# KiCad board PCB0160.kicad_pcb (continued)
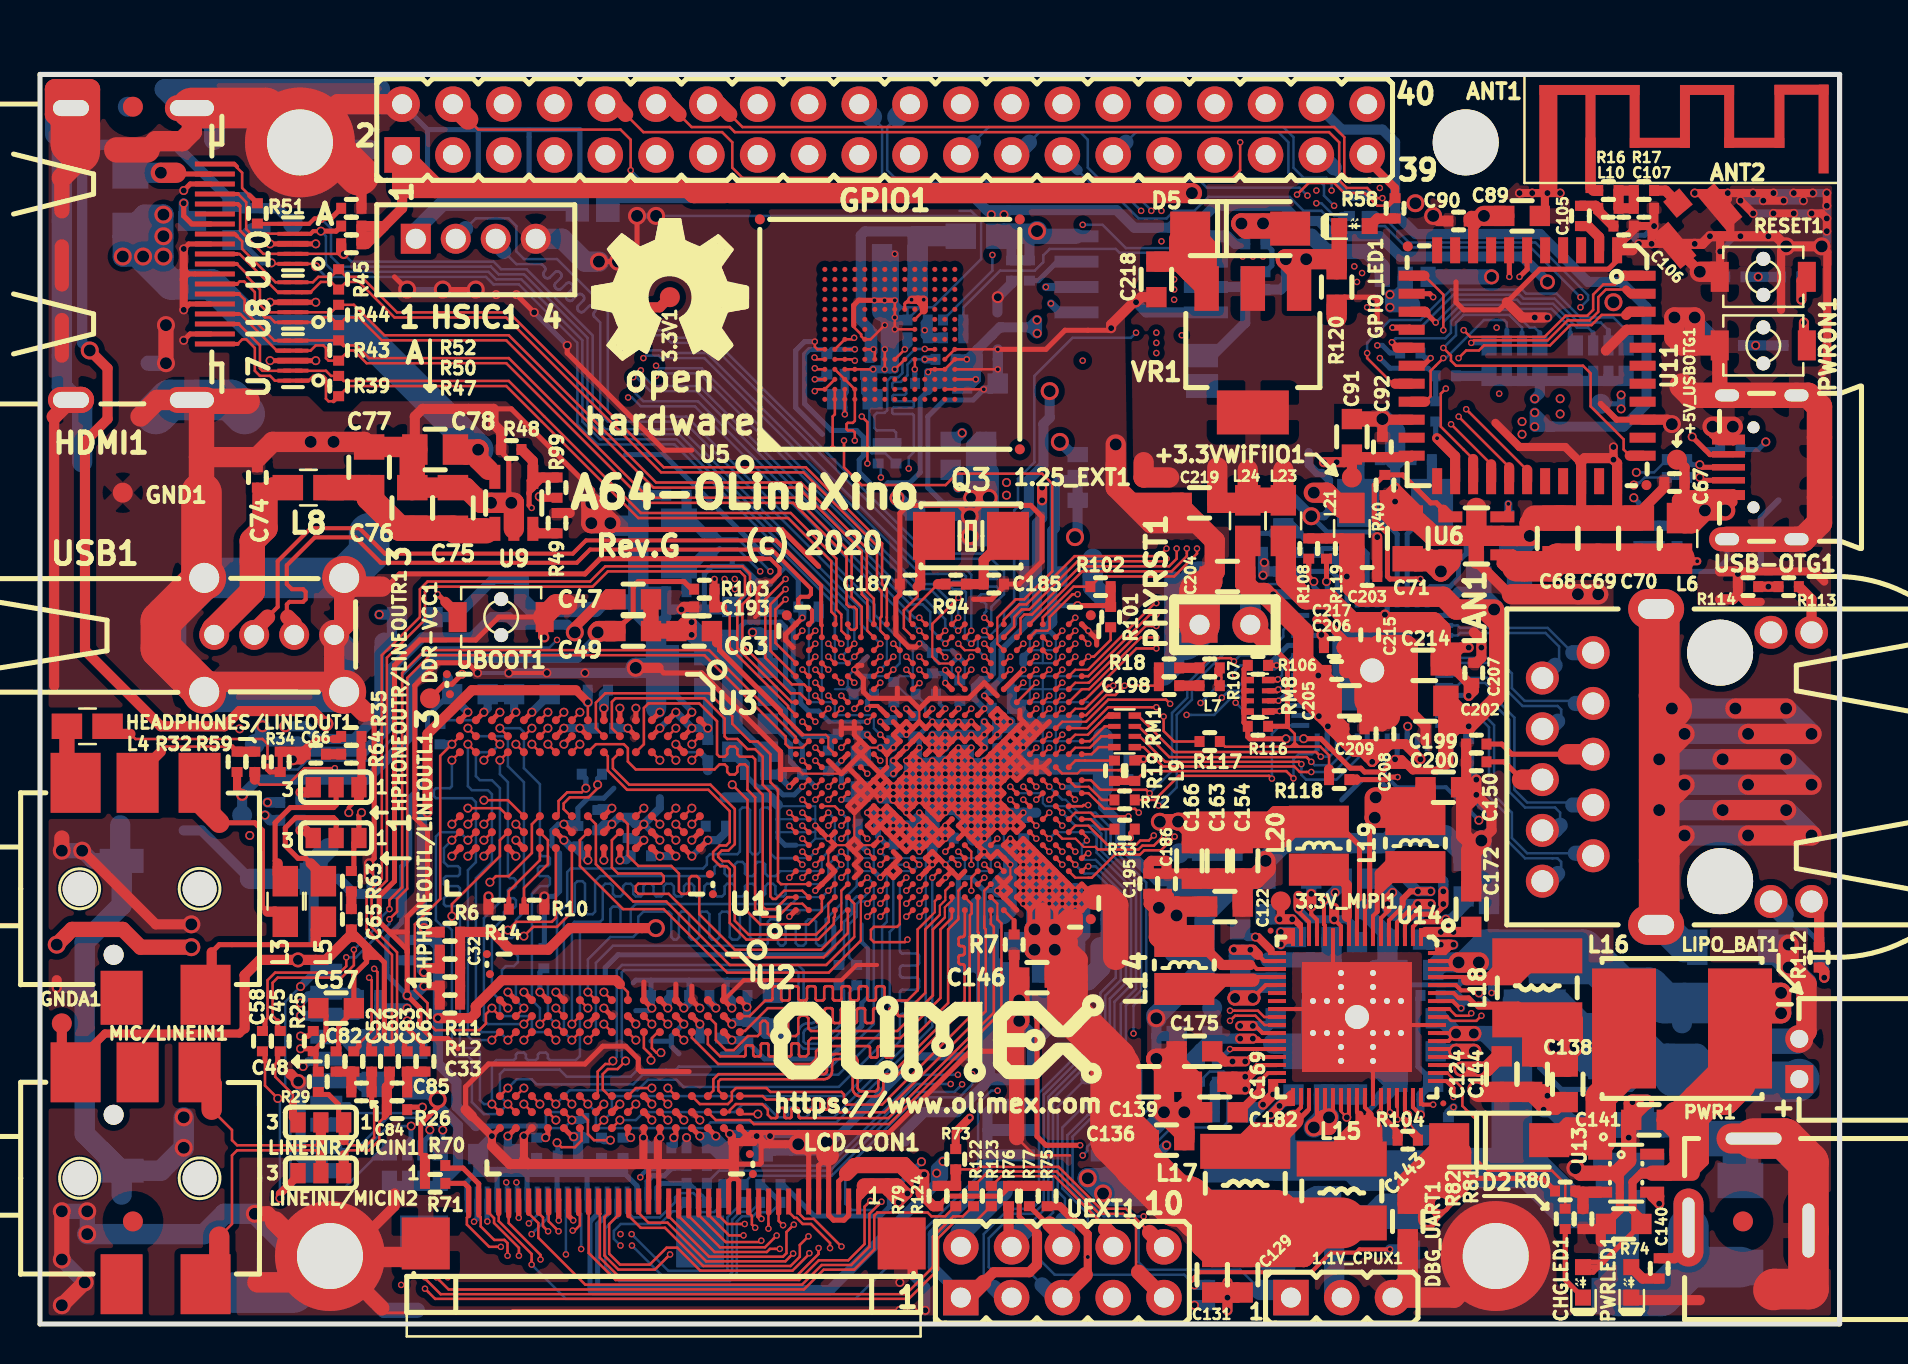
[diagram p0: board, top side]
## Routing (per net, layer and track width the routed paths; a pad name or vN(x,y) marks a point on that pad's centre or on a via; arc(x,y) is an arc through that point) (continued)
/USB&HDMI,WiFi&BT,Ethernet,LCD/EPHY-RST#: length 9.3
  Top w0.127: U1.Y14 v4(50.47,29.47) ; v4(56.19,30.38) 56.19,29.66 56.72,29.13 R117.2
  In2.Cu w0.127: v4(50.47,29.47) 51.02,30.02 55.83,30.02 v4(56.19,30.38)
/USB&HDMI,WiFi&BT,Ethernet,LCD/GCLKIN\LCD_VSYNC: length 65.8
  Top w0.127: v4(55.49,26.55) 55.32,26.72 53.03,26.72 52.56,27.2 U1.AC11
  Top w0.254: 26.44,6.23 26.44,5.41 v4(26.67,5.18)
  In3.Cu w0.127: v4(55.49,26.55) 55.33,26.38 55.33,23.92 54.94,23.53 54.94,18.16 47.43,10.66 43.22,10.66 39.35,6.79 34.5,6.79 33.35,5.64 27.12,5.64 v4(26.67,5.18)
  Bottom w0.127: 62.43,38.6 62.43,38.21 ; 62.43,38.21 62.43,37.13 62.31,37.01 61.42,37.01 61.16,36.75 61.16,36.25 61.67,35.74 61.67,34.54 61.04,33.91 59.25,33.91 57.37,32.02 57.37,31.32 56.61,30.56 56.61,27.67 v4(55.49,26.55) ; 62.43,38.21 62.81,38.6 ; 62.43,38.21 62.18,38.47 C93.2 62.18,38.62
  Bottom w0.508: C93.2 R109.1
/USB&HDMI,WiFi&BT,Ethernet,LCD/GMDC\LCD-PWM: length 72.5
  Top w0.127: U1.Y13 v4(50.47,28.83) ; v4(25.03,3.23) 25.03,3.46 23.44,5.05 23.44,5.39
  Top w0.254: 23.44,5.39 23.44,6.23
  In2.Cu w0.127: v4(25.03,3.23) 25.41,2.84 26.61,2.84 26.9,2.55 30.06,2.55 33.95,6.44 40.2,6.44 43.22,9.47 45.87,9.47 46.05,9.29 48.94,9.29 51,11.35 51.64,11.35 53.54,13.26 53.54,15.55 54.81,16.81 54.81,23.41 55.19,23.79 55.19,25.19 v4(55.93,25.93) 55.93,26.93 54.69,28.18 50.69,28.18 50.47,28.39 v4(50.47,28.83)
  Bottom w0.127: v4(55.93,25.93) 56.84,26.84 56.84,30.46 57.61,31.23 57.61,31.93 59.35,33.67 61.14,33.67 61.93,34.46 61.93,34.98 62.39,35.44
  Bottom w0.254: 62.39,35.44 U15.36
/USB&HDMI,WiFi&BT,Ethernet,LCD/GMDIO\LCD_PWR: length 67.4
  Top w0.127: v4(54.95,25.58) 54.76,25.77 54.36,25.77 54.36,25.77 54.12,25.77 53.35,25.77 53.35,25.77 53.22,25.77 52.43,26.55 U1.AC10
  Top w0.254: v3(63.7,37.13) 63.45,37.39 R108.1 ; 23.94,6.23 v4(23.94,5.31)
  In3.Cu w0.127: v4(23.94,5.31) 24.52,5.89 33.22,5.89 34.37,7.04 39.27,7.04 45.21,12.98 49.39,12.98 54.69,18.28 54.69,23.81 54.95,24.08 v4(54.95,25.58) 54.95,26.5 55.33,26.88 59.28,26.88 61.21,28.81 61.21,32.8 62.8,34.39 62.8,34.86 63.7,35.76 v3(63.7,37.13)
  Bottom w0.254: v3(63.7,37.13) 63.7,36.88 63.87,36.71 U15.37
/USB&HDMI,WiFi&BT,Ethernet,LCD/GRXCK\LCD_D18: length 59.1
  Top w0.127: v4(40.08,3.87) 38.7,5.26 38.23,5.26 37.94,5.54 ; LCD_CON1.7 37.94,5.54 ; 37.94,5.54 37.94,5.62 ; U1.AC16 52.32,30.45 53.33,31.46 53.78,31.46 v4(54.24,31.93) C198.1
  Top w0.508: R18.1 C198.1
  In2.Cu w0.127: v4(54.24,31.93) 54.7,31.93 55.29,32.52 58.66,32.52 58.87,32.73 58.97,32.73 60.15,31.55 60.15,30.94 59.71,30.5 59.71,19.97 58.16,18.42 58.16,9.03 56.92,7.8 55.57,7.8 53.67,5.9 45.05,5.9 43.03,3.87 v4(40.08,3.87)
/USB&HDMI,WiFi&BT,Ethernet,LCD/GRXCTL\LCD_D19: length 59.9
  Top w0.107: 51.78,30.78 52.27,30.78
  Top w0.127: v4(53.67,31.93) 53.43,31.93 52.27,30.78 ; v4(39.51,3.8) 39.51,4.05 38.56,5 38.14,5 37.84,5.31 37.74,5.31 37.44,5.61 LCD_CON1.8 ; U1.AB16 51.78,30.78
  In2.Cu w0.127: v4(39.51,3.8) 39.83,3.48 42.97,3.48 45.15,5.66 53.82,5.66 55.7,7.54 57,7.54 58.39,8.94 58.39,18.32 59.98,19.91 59.98,30.44 60.4,30.86 60.4,31.84 v4(59.76,32.47) 59.55,32.47 59.06,32.96 58.77,32.96 58.56,32.76 55.2,32.76 54.77,32.33 54.07,32.33 v4(53.67,31.93)
  Bottom w0.127: R105.1 60.02,32.94 59.76,32.68 v4(59.76,32.47)
/USB&HDMI,WiFi&BT,Ethernet,LCD/GRXD0\LCD_D15: length 62.7
  Top w0.127: v4(37.7,4.97) 37.33,4.6 37.33,3.54 37.16,3.37 33.46,3.37 31.44,5.39 ; U1.Y16 v4(50.47,30.78)
  Top w0.254: 31.44,5.39 31.44,6.23
  In2.Cu w0.127: v4(37.7,4.97) 37.99,5.26 42.76,5.26 44.57,7.06 48.62,7.06 51.64,10.08 52.27,10.08 54.31,12.12 56.59,12.12 56.84,12.37 56.84,18.76 58.54,20.46 58.54,30.56 v4(58.04,31.06) 57.75,31.35 55.78,31.35 54.7,30.28 50.97,30.28 v4(50.47,30.78)
  Bottom w0.127: RM15.1.2 60.25,32.21 59.96,31.92 58.9,31.92 v4(58.04,31.06)
/USB&HDMI,WiFi&BT,Ethernet,LCD/GRXD1\LCD_D14: length 62.6
  Top w0.127: U1.W16 v4(49.82,30.78) ; v4(37,3.76) 36.51,3.76 36.35,3.6 33.74,3.6 31.94,5.4
  Top w0.254: 31.94,5.4 31.94,6.23
  In2.Cu w0.107: 50.15,31.1 51.45,31.1
  In2.Cu w0.127: v4(49.82,30.78) 50.15,31.1 ; 51.45,31.1 51.81,30.74 54.51,30.74 55.58,31.82 58.08,31.82 58.58,31.33 v4(59.1,31.33) 59.1,30.94 59.01,30.84 59.01,20.26 57.35,18.61 57.35,11.99 56.97,11.61 54.56,11.61 52.56,9.61 51.84,9.61 48.82,6.6 44.76,6.6 42.91,4.75 38.3,4.75 37.67,4.11 37.41,4.11 37.06,3.76 v4(37,3.76)
  Bottom w0.127: RM15.2.2 59.45,31.67 v4(59.1,31.33)
/USB&HDMI,WiFi&BT,Ethernet,LCD/GRXD2\LCD_D13: length 57.7
  Top w0.127: v4(36.84,4.43) 36.25,3.84 34.01,3.84 32.44,5.41 ; U1.AA13 v4(51.12,28.83)
  Top w0.254: 32.44,6.23 32.44,5.41
  In2.Cu w0.127: v4(36.84,4.43) 36.84,4.66 36.76,4.74 36.76,5.04 37.49,5.77 40.18,5.77 43.42,9 45.68,9 45.86,8.82 49.23,8.82 51.26,10.85 51.89,10.85 54.05,13 54.05,15.29 55.32,16.56 55.32,21.25 57.84,23.77 57.84,29.96 v4(57.34,30.47) 56.62,29.75 52.05,29.75 v4(51.12,28.83)
  Bottom w0.127: RM15.3.2 60.21,31.17 59.94,31.44 59.69,31.44 58.72,30.47 v4(57.34,30.47)
/USB&HDMI,WiFi&BT,Ethernet,LCD/GRXD3\LCD_D12: length 65.6
  Top w0.127: v4(36.07,4.17) 36,4.1 34.3,4.1 32.94,5.45 ; U1.V17 v4(49.82,32.08)
  Top w0.254: 32.94,6.23 32.94,5.45
  In2.Cu w0.107: 50.15,31.75 51.78,31.75
  In2.Cu w0.127: v4(49.82,32.08) 50.15,31.75 ; 51.76,31.75 52.3,31.21 54.31,31.21 55.39,32.29 58.28,32.29 58.67,31.89 59.4,31.89 59.79,31.5 v4(59.79,31.07) 59.79,30.92 59.48,30.6 59.48,20.07 57.92,18.52 57.92,9.13 56.84,8.05 51.13,8.05 49.21,6.13 44.95,6.13 43.08,4.26 38.83,4.26 38.44,3.88 37.51,3.88 37.33,3.69 37.33,3.54 37.16,3.37 36.87,3.37 v4(36.07,4.17)
  Bottom w0.127: RM15.4.2 60.25,30.63 59.8,31.07 v4(59.79,31.07)
/USB&HDMI,WiFi&BT,Ethernet,LCD/GTXCK\LCD_DE: length 63.1
  Top w0.127: L9.2 54.77,27.17 55.26,27.65 62.33,27.65 v4(62.69,27.29) ; 25.44,5.55 25.44,5.13 v4(25.93,4.64)
  Top w0.254: 25.44,6.23 25.44,5.55
  Top w0.406: R19.2 L9.2
  In3.Cu w0.127: v4(62.69,27.29) 62.69,22.91 61.67,21.89 59.7,21.89 47.28,9.47 43.02,9.47 39.64,6.09 34.94,6.09 33.73,4.88 27.65,4.88 26.82,4.05 26.29,4.05 25.93,4.41 v4(25.93,4.64)
  Bottom w0.127: U15.24 63.87,28.77 63.61,28.5 62.94,28.5 62.69,28.25 v4(62.69,27.29)
/USB&HDMI,WiFi&BT,Ethernet,LCD/GTXCTL\LCD_HSYNC: length 59.3
  Top w0.127: v4(26.64,4.67) 26.73,4.67 27,4.94 27,5.45 26.94,5.51 ; v4(61.61,27.28) 61.47,27.42 56.95,27.42 55.75,26.21 R72.2
  Top w0.254: 26.94,6.23 26.94,5.52
  In3.Cu w0.127: v4(26.64,4.67) 27.35,5.39 33.48,5.39 34.65,6.56 39.45,6.56 42.85,9.96 47.06,9.96 55.19,18.09 55.19,21.1 61.38,27.28 v4(61.61,27.28)
  Bottom w0.127: v4(61.61,27.28) 61.61,29.52 62.03,29.94 U15.25 63.21,29.94
/USB&HDMI,WiFi&BT,Ethernet,LCD/GTXD0\LCD_CLK: length 65.2
  Top w0.127: RM1.2.1 55,29.39 56.27,28.12 62.97,28.12 v4(63.08,28) ; 25.94,5.56 25.94,5.55
  Top w0.254: v4(25.94,5.18) 25.94,6.23 25.94,6.23
  In3.Cu w0.127: v4(25.94,5.18) 26.3,4.82 26.3,4.43 26.45,4.29 26.73,4.29 27.57,5.13 33.61,5.13 34.8,6.32 39.54,6.32 42.92,9.7 47.15,9.7 59.6,22.15 61.54,22.15 62.31,22.91 62.31,27.6 62.71,28 v4(63.08,28)
  Bottom w0.127: v4(63.08,28) 63.08,27.47 63.32,27.23 64.84,27.23 66.37,28.77 U15.19
/USB&HDMI,WiFi&BT,Ethernet,LCD/GTXD1\LCD_D23: length 54.4
  Top w0.127: v4(63.58,27.61) 63,27.61 62.73,27.89 56.16,27.89 55.19,28.85 RM1.1.1 ; v4(35.76,4.82) 35.6,4.98 35.6,5.41 35.44,5.57
  Top w0.254: 35.44,6.23 35.44,5.57
  In3.Cu w0.127: v4(35.76,4.82) 35.6,4.98 35.6,5.54 35.92,5.86 39.74,5.86 43.12,9.24 47.4,9.24 59.81,21.64 61.8,21.64 63.58,23.42 v4(63.58,27.61)
  Bottom w0.127: U15.20 65.87,28.77 64.72,27.61 v4(63.58,27.61)
/USB&HDMI,WiFi&BT,Ethernet,LCD/GTXD2\LCD_D22: length 53.5
  Top w0.127: RM1.3.1 54.94,29.89 56.48,28.35 63.34,28.35 v4(63.58,28.12)
  Top w0.254: 35.94,6.23 35.94,5.4 v4(36.08,5.26)
  In3.Cu w0.127: 61.85,21.39 61.94,21.39 63.96,23.41 63.96,27.74 v4(63.58,28.12) ; 61.85,21.39 61.93,21.39 ; 61.85,21.39 59.91,21.39 47.53,9 43.21,9 39.83,5.62 36.44,5.62 v4(36.08,5.26)
  Bottom w0.127: v4(63.58,28.12) 63.74,27.95 64.56,27.95 65.37,28.77 U15.21
/USB&HDMI,WiFi&BT,Ethernet,LCD/GTXD3\LCD_D21: length 53.5
  Top w0.127: v4(36.43,4.77) 36.43,5.54 36.44,5.56 ; v4(64.05,28.38) 63.82,28.61 56.74,28.61 54.91,30.43 RM1.4.1
  Top w0.254: 36.44,6.23 36.44,5.56
  In3.Cu w0.127: v4(64.05,28.38) 64.22,28.21 64.22,23.3 62.05,21.13 60.02,21.13 47.66,8.77 43.31,8.77 39.92,5.38 37.03,5.38 v4(36.43,4.77)
  Bottom w0.127: U15.22 64.87,28.77 64.48,28.38 v4(64.05,28.38)
/USB&HDMI,WiFi&BT,Ethernet,LCD/HCEC: length 46
  Top w0.127: v3(13.79,52.88) 13.65,53.03 U10.1 ; v3(11.57,53.07) 11.62,53.03 U10.10 ; U1.F21 v4(40.72,33.38)
  Top w0.203: U10.1 U10.10
  Bottom w0.107: 40.4,33.05 39.88,33.05 39.75,33.17 39.75,34.35
  Bottom w0.127: 39.75,34.35 39.75,35.97 31.73,43.99 27.89,43.99 26.87,45.01 26.87,49.07 23.95,51.99 22.68,51.99 22.3,52.37 14.3,52.37 v3(13.79,52.88) ; v4(40.72,33.38) 40.4,33.05
  Bottom w0.254: FET1.2 10.14,53.9 10.3,53.9 11.12,53.07 v3(11.57,53.07)
  Bottom w0.508: R46.2 10.55,54.79 9.98,54.22 FET1.2
/USB&HDMI,WiFi&BT,Ethernet,LCD/HHPD: length 44.7
  Top w0.127: U1.E21 v4(40.72,34.03)
  Top w0.203: R51.1 10.89,55.03 U10.6 U10.5 13.46,55.03 13.73,55.3 v3(14.05,55.3)
  Top w0.254: v3(14.05,55.3) 14.55,55.3 R52.1
  Bottom w0.127: 22.56,52.88 22.55,52.88 ; 22.56,52.88 22.94,52.5 24.21,52.5 27.38,49.33 27.38,45.26 28.14,44.5 31.95,44.5 40.72,35.73 v4(40.72,34.03) ; 22.56,52.88 15.06,52.88 15.06,52.88 14.55,53.39 14.55,54.79 v3(14.05,55.3)
/USB&HDMI,WiFi&BT,Ethernet,LCD/HSCL: length 47.2
  Top w0.127: v3(15.19,53.52) 15.18,53.53 U10.2 ; 9.98,55.93 10.01,55.91 10.01,54.69 11.17,53.53 U10.9 ; U1.G21 v4(42.03,34.03)
  Top w0.203: 9.98,55.93 9.89,56.02 8.55,56.02 ; U10.2 U10.9
  Top w0.508: R47.2 15.06,53.65 v3(15.19,53.52)
  Bottom w0.127: v3(15.19,53.52) 15.57,53.14 22.68,53.14 23.06,52.76 24.33,52.76 27.64,49.45 27.64,45.39 28.27,44.76 32.08,44.76 41.05,35.78 41.05,35 v4(42.03,34.03)
/USB&HDMI,WiFi&BT,Ethernet,LCD/HSDA: length 48.6
  Top w0.127: 9.9,56.52 10.31,56.11 10.31,54.76 10.54,54.53 12.2,54.53 U10.7 ; U1.E20 v4(40.07,33.38)
  Top w0.203: v3(14.05,54.66) 13.67,54.66 13.53,54.53 U10.4 U10.7 ; 8.55,56.52 9.9,56.52
  Top w0.254: v3(14.05,54.66) 14.81,54.66 R50.2
  Bottom w0.107: 40.4,33.7 40.4,34.35
  Bottom w0.127: 40.4,35.69 40.4,35.68 ; 40.4,35.69 40.4,34.35 ; 40.4,35.69 31.84,44.25 28.02,44.25 27.13,45.14 27.13,49.2 24.08,52.25 22.81,52.25 22.43,52.63 14.68,52.63 14.3,53.01 14.3,54.41 v3(14.05,54.66) ; v4(40.07,33.38) 40.4,33.7
/USB&HDMI,WiFi&BT,Ethernet,LCD/HTX0N: length 43.5
  Top w0.127: 9.85,53.02 10.36,52.5 10.36,52.38 11,51.74 11,50.98 11.38,50.6 12.2,50.6 U8.9 ; U8.2 14.56,50.6 R44.1 15.7,50.98 17.22,49.45 23.44,49.45 30.81,42.09 38.05,42.09 41.35,38.79 41.35,36.63 41.7,36.28 U1.G23
  Top w0.203: U8.2 U8.9 ; 8.55,53.02 9.85,53.02
/USB&HDMI,WiFi&BT,Ethernet,LCD/HTX0P: length 43.5
  Top w0.107: 41.38,34.67 41.38,35.33
  Top w0.127: 41.38,35.33 41.38,36.22 41.1,36.5 41.1,38.66 37.92,41.83 30.68,41.83 23.32,49.2 17.09,49.2 15.95,50.34 15.32,50.34 R44.2 14.55,50.34 13.79,50.34 13.55,50.1 U8.1 ; U1.G22 41.38,34.67 ; U8.10 11.74,50.1 11.51,50.34 11.25,50.34 10.74,50.85 10.74,51.61 10.21,52.15 9.98,52.15 9.86,52.02
  Top w0.203: HDMI1.7 9.86,52.02 ; U8.1 U8.10
/USB&HDMI,WiFi&BT,Ethernet,LCD/HTX1N: length 42.2
  Top w0.127: R43.2 13.1,49.2 U7.5 ; 9.95,51.52 10.24,51.23 10.24,50.67 11.73,49.18 U7.6 ; U1.F22 41.1,34.4 41.1,35.86 40.59,36.37 40.59,38.53 37.79,41.33 30.43,41.33 23.44,48.31 16.46,48.31 15.82,48.95 15.19,48.95
  Top w0.203: 15.19,48.95 R43.2 ; 9.95,51.52 8.55,51.52 ; U7.5 U7.6
/USB&HDMI,WiFi&BT,Ethernet,LCD/HTX1P: length 42.1
  Top w0.127: 40.45,34.96 40.45,34.84 40.56,34.72 40.74,34.72 40.84,34.82 40.84,35.74 40.72,35.86 40.46,35.86 40.34,35.99 40.34,38.41 37.67,41.07 30.3,41.07 23.32,48.06 16.33,48.06 15.7,48.69 15.44,48.69 R43.1 14.43,48.18 14.3,48.31 14.3,48.82 14.17,48.95 13.79,48.95 13.53,48.68 U7.4 ; 11.84,48.68 10.01,50.52 9.93,50.52 ; U1.E23 40.44,34.96
  Top w0.203: 11.84,48.68 U7.7 U7.4 ; HDMI1.4 9.93,50.52
/USB&HDMI,WiFi&BT,Ethernet,LCD/HTX2N: length 41
  Top w0.107: 40.07,34.67 40.07,35.33
  Top w0.127: 9.93,50.02 11,48.95 11,47.8 11.12,47.68 12.2,47.68 U7.9 ; U7.2 13.09,47.68 14.3,47.68 14.55,47.42 R39.1 15.19,47.17 23.44,47.17 30.05,40.56 37.54,40.56 39.83,38.28 39.83,35.74 40.07,35.49 40.07,35.33 ; U1.E22 40.07,34.67
  Top w0.203: U7.2 U7.9 ; 8.55,50.02 9.93,50.02
/USB&HDMI,WiFi&BT,Ethernet,LCD/HTX2P: length 40.9
  Top w0.127: 13.43,47.18 13.67,47.42 14.17,47.42 14.3,47.3 14.3,46.28 14.43,46.15 14.68,46.15 ; U7.10 11.74,47.18 11.51,47.42 11,47.42 10.74,47.68 10.74,48.82 10.31,49.25 10.12,49.25 9.88,49.02 ; U1.D23 39.8,35.05 39.8,35.4 39.57,35.63 39.57,38.15 37.41,40.31 29.92,40.31 23.32,46.91 15.44,46.91 R39.2
  Top w0.203: 13.43,47.18 U7.1 U7.10 ; HDMI1.1 9.88,49.02 ; 14.68,46.15 R39.2
/USB&HDMI,WiFi&BT,Ethernet,LCD/HTXCN: length 44.9
  Top w0.127: 42.35,35.36 42.35,35.33 ; 42.35,35.36 U1.H23 ; 42.35,35.36 42.35,36.77 42.11,37.01 42.11,39.04 38.3,42.85 31.19,42.85 23.44,50.6 17.86,50.6 16.08,52.38 15.32,52.38 R45.2 14.55,52.38 13.92,52.38 13.65,52.1 U8.5 ; U8.6 11.78,52.1 10.11,53.77 10.11,54.15 9.86,54.41
  Top w0.203: U8.5 U8.6 ; 9.86,54.41 9.74,54.52 8.55,54.52
/USB&HDMI,WiFi&BT,Ethernet,LCD/HTXCP: length 44.9
  Top w0.107: 42.03,34.67 42.03,35.33
  Top w0.127: 13.53,51.6 14.05,52.12 14.55,52.12 R45.1 15.32,52.12 15.95,52.12 17.73,50.34 23.32,50.34 31.06,42.6 38.18,42.6 41.86,38.91 41.86,36.88 42.09,36.65 42.09,35.39 42.03,35.33 ; U1.H22 42.03,34.67 ; U8.7 11.89,51.6 9.98,53.52 9.86,53.52
  Top w0.203: U8.7 U8.4 13.53,51.6 ; 8.55,53.52 9.86,53.52
/USB&HDMI,WiFi&BT,Ethernet,LCD/LCD_D2: length 71.7
  Top w0.127: v4(51.12,33.38) U1.AA20 ; v4(37.66,3.52) 37.27,3.13 33.31,3.13 31.38,5.07 30.43,5.07 29.94,5.56 29.94,5.66
  Top w0.254: 29.94,5.66 29.94,6.23
  In2.Cu w0.107: 51.45,33.7 52.75,33.7
  In2.Cu w0.127: 52.75,33.7 53.23,33.22 54.67,33.22 54.91,33.46 58.25,33.46 58.5,33.71 59.12,33.71 59.36,33.94 60.08,33.94 61.16,32.86 61.16,30.53 60.72,30.09 60.72,24.69 61.93,23.48 61.93,22.78 61.48,22.34 61.48,18.53 60.91,17.96 60.48,17.96 59.13,16.6 59.13,8.69 57.23,6.78 56.08,6.78 54.26,4.96 45.44,4.96 43.2,2.72 38.47,2.72 v4(37.66,3.52) ; v4(51.12,33.38) 51.45,33.7
/USB&HDMI,WiFi&BT,Ethernet,LCD/LCD_D3: length 64
  Top w0.127: v4(38.43,4.39) 38,3.95 38,3.36 37.53,2.9 33.17,2.9 31.25,4.81 30.04,4.81 29.44,5.41 ; v4(51.12,31.42) U1.AA17
  Top w0.254: LCD_CON1.24 29.44,5.41
  In2.Cu w0.127: v4(38.43,4.39) 38.54,4.5 42.99,4.5 44.86,6.36 48.92,6.36 51.93,9.38 52.71,9.38 54.69,11.35 57.1,11.35 57.61,11.86 57.61,18.53 59.24,20.17 59.24,30.72 59.45,30.93 59.45,31.52 59.31,31.66 58.57,31.66 58.18,32.05 55.49,32.05 54.41,30.98 52.08,30.98 51.64,31.42 v4(51.12,31.42)
/USB&HDMI,WiFi&BT,Ethernet,LCD/LCD_D4: length 75.6
  Top w0.127: v4(38.48,3.54) 38.48,3.51 37.63,2.67 33.02,2.67 31.87,3.82 31.34,3.82 30.49,2.97 29.01,2.97 28.46,3.51 28.46,5 28.94,5.48 ; v4(49.82,32.72) U1.W19
  Top w0.254: 28.94,5.48 28.94,6.23
  In2.Cu w0.107: 50.15,33.05 51.45,33.05
  In2.Cu w0.127: v4(49.82,32.72) 50.15,33.05 ; v4(38.48,3.54) 39.05,2.97 43.12,2.97 45.34,5.19 54.11,5.19 55.96,7.04 57.15,7.04 58.88,8.76 58.88,16.71 60.38,18.21 60.78,18.21 61.23,18.66 61.23,22.29 60.46,23.05 60.46,30.21 60.91,30.66 60.91,32.78 59.98,33.71 59.45,33.71 59.2,33.45 58.57,33.45 58.34,33.22 55,33.22 54.64,32.86 51.64,32.86 51.45,33.05
/USB&HDMI,WiFi&BT,Ethernet,LCD/LCD_D5: length 58.2
  Top w0.127: U1.AA14 v4(51.12,29.47) ; 28.44,5.56 28.23,5.35 28.23,3.42 28.93,2.72 30.75,2.72 v4(31.51,3.48)
  Top w0.254: 28.44,6.23 28.44,5.56
  In2.Cu w0.107: U1.AA14 50.8,28.5
  In2.Cu w0.127: v4(51.12,29.47) U1.AA14 ; 50.8,28.5 50.88,28.42 51.34,28.42 51.82,28.89 56.01,28.89 57.61,27.29 57.61,23.86 55.07,21.32 55.07,16.69 53.8,15.42 53.8,13.13 51.76,11.1 51.13,11.1 49.08,9.05 45.96,9.05 45.78,9.23 43.32,9.23 40.3,6.21 34.24,6.21 v4(31.51,3.48)
/USB&HDMI,WiFi&BT,Ethernet,LCD/LCD_D6: length 74.6
  Top w0.127: 27.94,5.59 28.02,5.51 28,5.49 28,3.32 28.88,2.43 37.87,2.43 38.94,3.51 v4(38.94,3.8) ; v4(49.18,32.08) U1.V18
  Top w0.254: 27.94,6.23 27.94,5.59
  In2.Cu w0.107: 49.5,32.4 51.45,32.4
  In2.Cu w0.127: 51.45,32.4 51.68,32.63 54.74,32.63 55.1,32.99 58.44,32.99 58.65,33.2 59.16,33.2 59.55,32.81 60.55,32.81 60.66,32.7 60.66,30.78 60.21,30.34 60.21,19.81 58.63,18.23 58.63,8.84 57.07,7.29 55.83,7.29 53.97,5.43 45.24,5.43 43.04,3.23 39.51,3.23 v4(38.94,3.8) ; v4(49.18,32.08) 49.5,32.4
/USB&HDMI,WiFi&BT,Ethernet,LCD/LCD_D7: length 65
  Top w0.107: 51.12,30.12 52.32,30.12
  Top w0.127: 27.44,5.58 27.44,3.55 28.79,2.2 37.96,2.2 38.95,3.19 40.42,3.19 41.24,4 41.24,5.87 v4(41.53,6.16) ; U1.AA15 51.12,30.12 ; v4(56.52,31.02) 56.53,31.01 56.31,31.23 53.42,31.23 52.32,30.12
  Top w0.254: 27.44,6.23 27.44,5.58
  In2.Cu w0.127: v4(41.53,6.16) 43.9,8.53 45.49,8.53 45.67,8.35 49.53,8.35 51.51,10.34 52.15,10.34 54.18,12.37 56.46,12.37 56.59,12.5 56.59,18.84 58.31,20.55 58.31,30.3 57.51,31.1 56.83,31.1 56.75,31.02 v4(56.52,31.02)
/USB&HDMI,WiFi&BT,Ethernet,LCD/LCD_D10: length 42.2
  Top w0.127: U1.Y11 v4(50.47,26.88) ; 33.94,5.43 34.37,5 v4(35.24,5)
  Top w0.254: 33.94,5.43 33.94,6.23
  In3.Cu w0.127: v4(35.24,5) 35.41,4.84 35.41,4.7 35.63,4.48 35.92,4.48 36,4.56 36.15,4.56 36.27,4.44 36.35,4.44 36.69,4.09 37.64,4.09 38.68,5.13 40,5.13 43.41,8.53 47.8,8.53 53.8,14.53 v4(54.69,14.53)
  Bottom w0.107: 51.12,26.22 51.29,26.22 51.94,25.58 52.43,25.58
  Bottom w0.127: 52.43,25.58 52.78,25.58 53.54,24.82 53.54,23.86 55.32,22.09 55.32,16.56 54.69,15.93 v4(54.69,14.53) ; v4(50.47,26.88) 51.12,26.22
/USB&HDMI,WiFi&BT,Ethernet,LCD/LCD_D11: length 56.8
  Top w0.127: U1.AA16 v4(51.12,30.78) ; 33.44,5.45 34.46,4.43 v4(35.18,4.43)
  Top w0.254: 33.44,6.23 33.44,5.45
  In2.Cu w0.127: v4(35.18,4.43) 35.41,4.43 35.46,4.48 35.92,4.48 36,4.56 36.15,4.56 36.27,4.44 36.35,4.44 36.69,4.09 37.06,4.09 37.37,4.4 37.62,4.4 38.23,5 42.84,5 44.66,6.83 48.73,6.83 51.74,9.84 52.41,9.84 54.43,11.86 56.84,11.86 57.1,12.12 57.1,18.68 58.78,20.36 58.78,30.8 57.99,31.59 55.68,31.59 54.6,30.51 51.39,30.51 v4(51.12,30.78)
/USB&HDMI,WiFi&BT,Ethernet,LCD/LCD_D20: length 48.4
  Top w0.127: v4(55.83,30.85) 53.42,30.85 52.37,29.8 U1.AB15 ; v4(37.16,4.94) 36.94,5.16 36.94,5.55
  Top w0.254: 36.94,6.23 36.94,5.55
  In2.Cu w0.127: v4(55.83,30.85) 56.2,30.85 56.41,30.64 56.95,30.64 57.18,30.86 57.41,30.86 58.07,30.2 58.07,20.65 55.57,18.15 55.57,16.43 54.31,15.16 54.31,12.88 52.02,10.59 51.38,10.59 49.38,8.59 45.76,8.59 45.58,8.77 43.51,8.77 40.26,5.51 37.73,5.51 v4(37.16,4.94)
/USB&HDMI,WiFi&BT,Ethernet,LCD/MDI[0]+: length 8
  Bottom w0.127: 76.66,33.58 76.64,33.58 75.4,34.82 71.02,34.82 70.9,34.94 U15.2
  Bottom w0.762: LAN1.1 76.66,33.58
/USB&HDMI,WiFi&BT,Ethernet,LCD/MDI[0]-: length 8
  Bottom w0.127: 75.77,32.94 75.97,33.15 75.97,33.88 75.29,34.56 71.02,34.56 70.9,34.44 U15.3
  Bottom w0.762: LAN1.2 75.77,32.94
/USB&HDMI,WiFi&BT,Ethernet,LCD/MDI[1]+: length 8.9
  Bottom w0.127: 76.78,31.04 76.66,31.17 74.24,31.17 73.61,31.8 73.61,32.54 72.84,33.32 71.02,33.32 70.9,33.44 U15.5
  Bottom w0.762: 76.78,31.04 LAN1.3
/USB&HDMI,WiFi&BT,Ethernet,LCD/MDI[1]-: length 8.9
  Bottom w0.127: U15.6 70.9,32.94 71.02,33.06 72.73,33.06 73.35,32.44 73.35,31.7 74.14,30.91 75.9,30.91 76.07,30.73 76.07,30.33 75.9,30.15
  Bottom w0.762: 75.9,30.15 75.51,29.77 LAN1.4
/USB&HDMI,WiFi&BT,Ethernet,LCD/MDI[2]+: length 12.6
  Bottom w0.127: 76.66,25.96 76.53,26.09 74.37,26.09 73.74,26.72 73.74,30.33 72.72,31.35 72.72,31.98 72.38,32.32 71.02,32.32 70.9,32.44 U15.7
  Bottom w0.762: LAN1.7 76.66,25.96
/USB&HDMI,WiFi&BT,Ethernet,LCD/MDI[2]-: length 12.6
  Bottom w0.127: U15.8 70.9,31.94 71.02,32.06 72.28,32.06 72.47,31.88 72.47,31.24 73.48,30.22 73.48,26.62 74.27,25.83 75.77,25.83 76.02,25.58 76.02,24.94
  Bottom w0.762: 76.02,24.94 75.77,24.69 LAN1.8
/USB&HDMI,WiFi&BT,Ethernet,LCD/MDI[3]+: length 13.3
  Bottom w0.127: U15.10 70.9,30.94 71.02,30.82 71.85,30.82 72.72,29.95 72.72,26.47 73.61,25.58 73.61,24.31 74.37,23.55 76.78,23.55
  Bottom w0.762: 76.78,23.55 77.55,23.55 LAN1.9
/USB&HDMI,WiFi&BT,Ethernet,LCD/MDI[3]-: length 13.3
  Bottom w0.127: U15.11 70.9,30.44 71.02,30.56 71.75,30.56 72.47,29.84 72.47,26.37 73.35,25.48 73.35,24.21 74.27,23.29 75.9,23.29 76.07,23.11 76.07,22.71 75.9,22.53
  Bottom w0.762: 75.9,22.53 75.51,22.15 LAN1.10
/USB&HDMI,WiFi&BT,Ethernet,LCD/PH7\CTP-INT: length 49.3
  Top w0.127: v4(24.59,2.97) 24.59,3.5 22.94,5.15 22.94,5.51 ; v4(52.43,23.54) 52.34,23.54 U1.AC5
  Top w0.254: 22.94,6.23 22.94,5.51
  In2.Cu w0.107: 52.1,23.21 52.1,22.61
  In2.Cu w0.127: 52.1,23.21 v4(52.43,23.54) ; v4(47.89,11.67) 49.86,13.64 50.5,13.64 51.26,14.4 51.26,16.69 52.53,17.96 52.53,22.18 52.1,22.61
  Bottom w0.127: v4(47.89,11.67) 47.57,11.67 46.91,11.01 46.91,7.39 40.78,1.26 26.3,1.26 v4(24.59,2.97)
/USB&HDMI,WiFi&BT,Ethernet,LCD/PH8\CTP-RST: length 56.1
  Top w0.127: v4(23.95,3.42) 23.95,3.81 22.71,5.05 22.71,5.3 22.44,5.56 LCD_CON1.38 ; U1.Y10 v4(49.82,26.22)
  In2.Cu w0.107: U1.Y10 50.15,27.04
  In2.Cu w0.127: 50.15,27.04 50.34,27.23 52.35,27.23 53.25,26.33 53.25,25.75 54.22,24.78 54.22,16.98 53.03,15.8 53.03,13.51 51.38,11.86 50.75,11.86 48.64,9.75 46.25,9.75 46.07,9.93 43.03,9.93 40.01,6.91 33.76,6.91 29.88,3.04 27.27,3.04 26.49,3.82 24.35,3.82 v4(23.95,3.42) ; v4(49.82,26.22) U1.Y10
/USB&HDMI,WiFi&BT,Ethernet,LCD/PHYAD0: length 2.4
  Top w0.508: 88.59,21.13 88.98,20.75 R112.1
/USB&HDMI,WiFi&BT,Ethernet,LCD/PHYAD1: length 2.5
  Top w0.508: R113.1 88.59,36.25 LAN1.12
/USB&HDMI,WiFi&BT,Ethernet,LCD/USB0-ID: length 57.5
  Top w0.127: v4(51.12,24.92) U1.AA8
  Top w0.254: 84.69,43.5 84.68,43.48 83.51,43.48 v3(82.63,44.37)
  In2.Cu w0.127: v3(82.63,44.37) 82.63,47.44 80.24,49.84 v4(72.85,49.84)
  In3.Cu w0.127: v4(72.85,49.84) 72.85,47.04 72.59,46.79 72.59,45.26 70.43,43.1 67.42,43.1 64.91,40.59 64.91,38.97 63.26,37.33 63.26,35.65 62.56,34.95 62.56,34.48 60.98,32.9 60.98,28.91 59.18,27.11 55.05,27.11 52.86,24.92 v4(51.12,24.92)
  Bottom w0.254: R37.1 83.26,43.74 v3(82.63,44.37)
/USB&HDMI,WiFi&BT,Ethernet,LCD/USB0-VBUSDET: length 55.4
  Top w0.107: 51.78,22.33 52.43,22.33
  Top w0.127: v4(56.74,24.38) 56.06,23.69 55.23,23.69 55.01,23.48 53.76,23.48 52.6,22.33 52.43,22.33 ; U1.AB4 51.78,22.33
  In2.Cu w0.127: v3(79.71,41.33) 80.34,41.96 80.34,42.85 80.09,43.1 79.71,43.1 79.07,42.47 76.4,42.47 76.02,42.85 76.02,44.69 76.53,45.2 76.53,46.41 75.51,47.42 73.86,47.42 v4(72.97,46.53)
  In3.Cu w0.127: v4(72.97,46.53) 72.97,45.29 70.54,42.85 67.5,42.85 65.14,40.49 65.14,38.19 64.85,37.9 64.85,36.56 63.07,34.78 63.07,31.24 61.44,29.62 61.44,28.61 57.21,24.38 v4(56.74,24.38)
  Bottom w0.254: v3(79.71,41.33) 79.96,41.07 C72.2 79.93,39.93
  Bottom w0.508: R38.1 R42.2 C72.2
/USB&HDMI,WiFi&BT,Ethernet,LCD/USB1-DM: length 36.4
  Top w0.107: 39.1,34.94 U1.C22
  Top w0.203: 39.1,34.94 39.06,34.98 39.06,36.93 36.8,39.19 27.3,39.19 26.64,38.53 17.25,38.53 15.98,39.8 13.54,39.8 11.89,38.15 11.89,35.86 11.38,35.36
  Top w0.762: 11.38,35.36 10.71,34.69 USB1.2
/USB&HDMI,WiFi&BT,Ethernet,LCD/USB1-DP: length 36.4
  Top w0.203: 12.39,35.36 12.34,35.41 12.34,35.99 12.47,36.12 13.16,36.12 13.28,36.25 13.28,36.63 13.16,36.75 12.6,36.75 12.34,37.01 12.34,37.95 13.74,39.34 15.77,39.34 17.04,38.07 26.85,38.07 27.51,38.74 36.6,38.74 38.56,36.78 38.56,36.5 38.43,36.37 38.05,36.37 37.92,36.25 37.92,35.99 38.05,35.86 38.43,35.86 38.61,35.69 38.61,35.15 38.45,35 U1.B23
  Top w0.762: 12.39,35.36 12.71,35.04 USB1.3
/USB&HDMI,WiFi&BT,Ethernet,LCD/WL-PMU-EN: length 58.5
  Top w0.127: v4(37.29,36.75) 36.53,35.99 36.53,33.67 U1.A19 ; v4(70.18,49.71) 70.18,51.49 69.24,52.43
  Top w0.508: U11.12 69.24,52.43
  In2.Cu w0.127: v4(37.29,36.75) 38.98,38.45 38.98,42.32 40.17,43.51 40.97,43.51 43.57,46.1 48.55,46.1 49.97,47.52 51.16,47.52 51.64,47.04 54.43,47.04 55.32,47.93 67.25,47.93 69.02,49.71 v4(70.18,49.71)
  Bottom w0.127: v4(70.18,49.71) 70.18,50.11 71.04,50.98 73.74,50.98 73.94,50.77 75.59,50.77 76.53,49.84 76.53,49.58
  Bottom w0.254: 76.53,49.58 76.53,49.2 RM9.4.2
/USB&HDMI,WiFi&BT,Ethernet,LCD/WL-SDIO-CLK: length 30.8
  Top w0.127: v4(49.18,34.03) 49.18,34.03 U1.V21
  In2.Cu w0.127: v4(55.83,49.07) 56.08,48.82 57.99,48.82 58.12,48.95 v4(66.88,48.95)
  In3.Cu w0.127: v4(49.18,34.03) 49.18,37.21 50.11,38.15 50.11,40.04 51.13,41.06 51.13,41.76 52.44,43.07 52.44,45.18 55.47,48.2 55.47,48.71 v4(55.83,49.07)
  Bottom w0.254: v4(66.88,48.95) 67.13,48.95 67.51,48.56 R54.2
/USB&HDMI,WiFi&BT,Ethernet,LCD/WL-SDIO-CMD: length 42.5
  Top w0.127: v4(48.53,33.38) U1.U20
  Top w0.305: 67.88,48.83 v4(67.61,49.1)
  Top w0.508: U11.16 67.88,48.83
  In2.Cu w0.127: v4(67.61,49.1) 67.43,49.28 57.94,49.28 57.73,49.07 56.34,49.07 v4(55.83,49.58)
  In3.Cu w0.127: v4(55.83,49.58) 55.23,48.99 55.23,48.35 52.21,45.33 52.21,43.17 50.88,41.83 50.88,41.14 49.86,40.12 49.86,38.28 48.84,37.26 48.84,33.71 48.53,33.39 v4(48.53,33.38)
  Bottom w0.127: 75.01,49.58 74.75,49.84 74.5,49.84 73.61,50.72 71.12,50.72 70.56,50.17 70.56,49.58 70.28,49.3 67.8,49.3 v4(67.61,49.1)
  Bottom w0.254: RM12.1.2 75.01,49.58
/USB&HDMI,WiFi&BT,Ethernet,LCD/WL-SDIO-D0: length 49
  Top w0.127: 67.78,47.03 67.65,47.03 66.37,48.31 v4(66.37,48.56) ; U1.U19 v4(48.53,32.72)
  Top w0.508: U11.18 67.78,47.03
  In2.Cu w0.127: v4(66.37,48.56) v4(55.83,48.56)